# Altium PCB Power.PcbDoc
Units mil, origin at the board's own origin, x right, y up, seen from the top; angles counter-clockwise.
Board outline 1220.47 x 1376.55 mil, 2 copper layers (Top Layer, Bottom Layer); 54 components, 38 nets, 226 pads, 78 vias.
Unrouted connection lines stored in the file: 54.
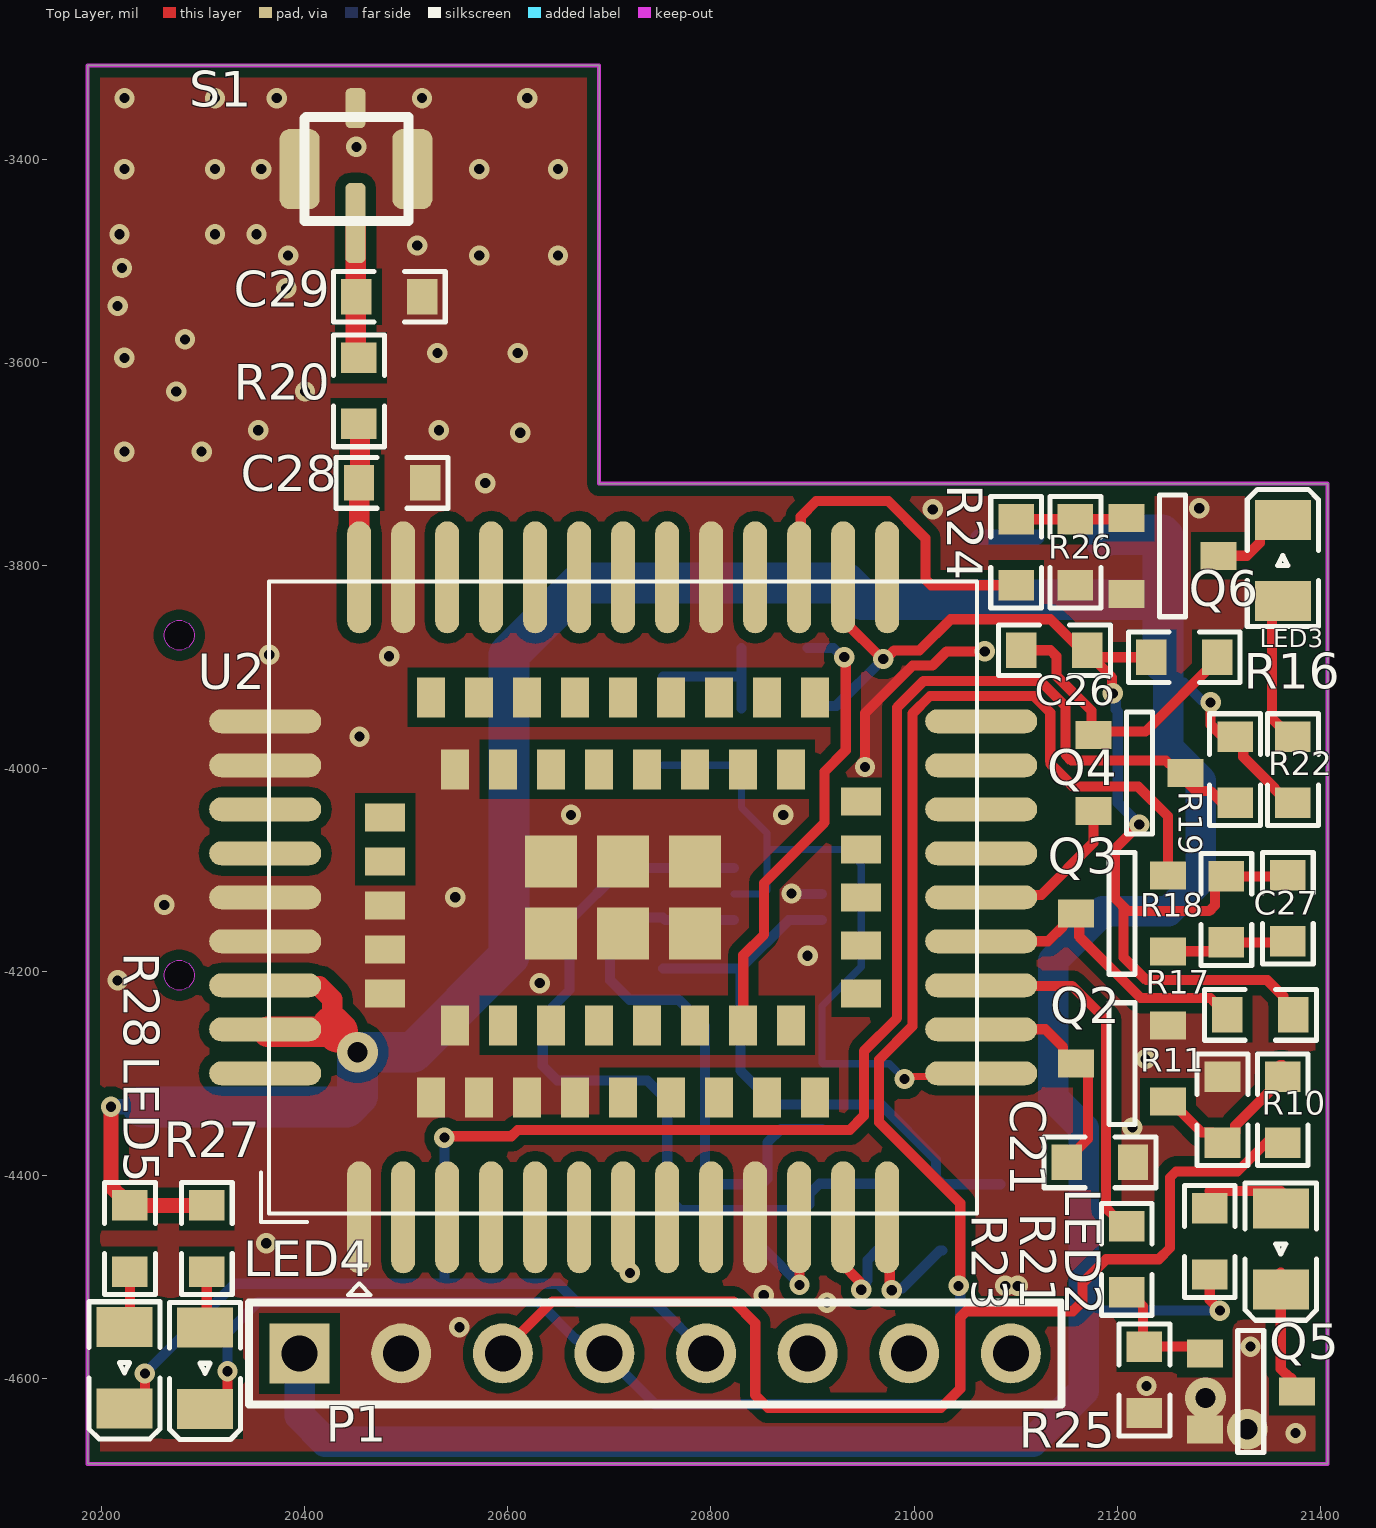
[diagram p0: Top Layer view]
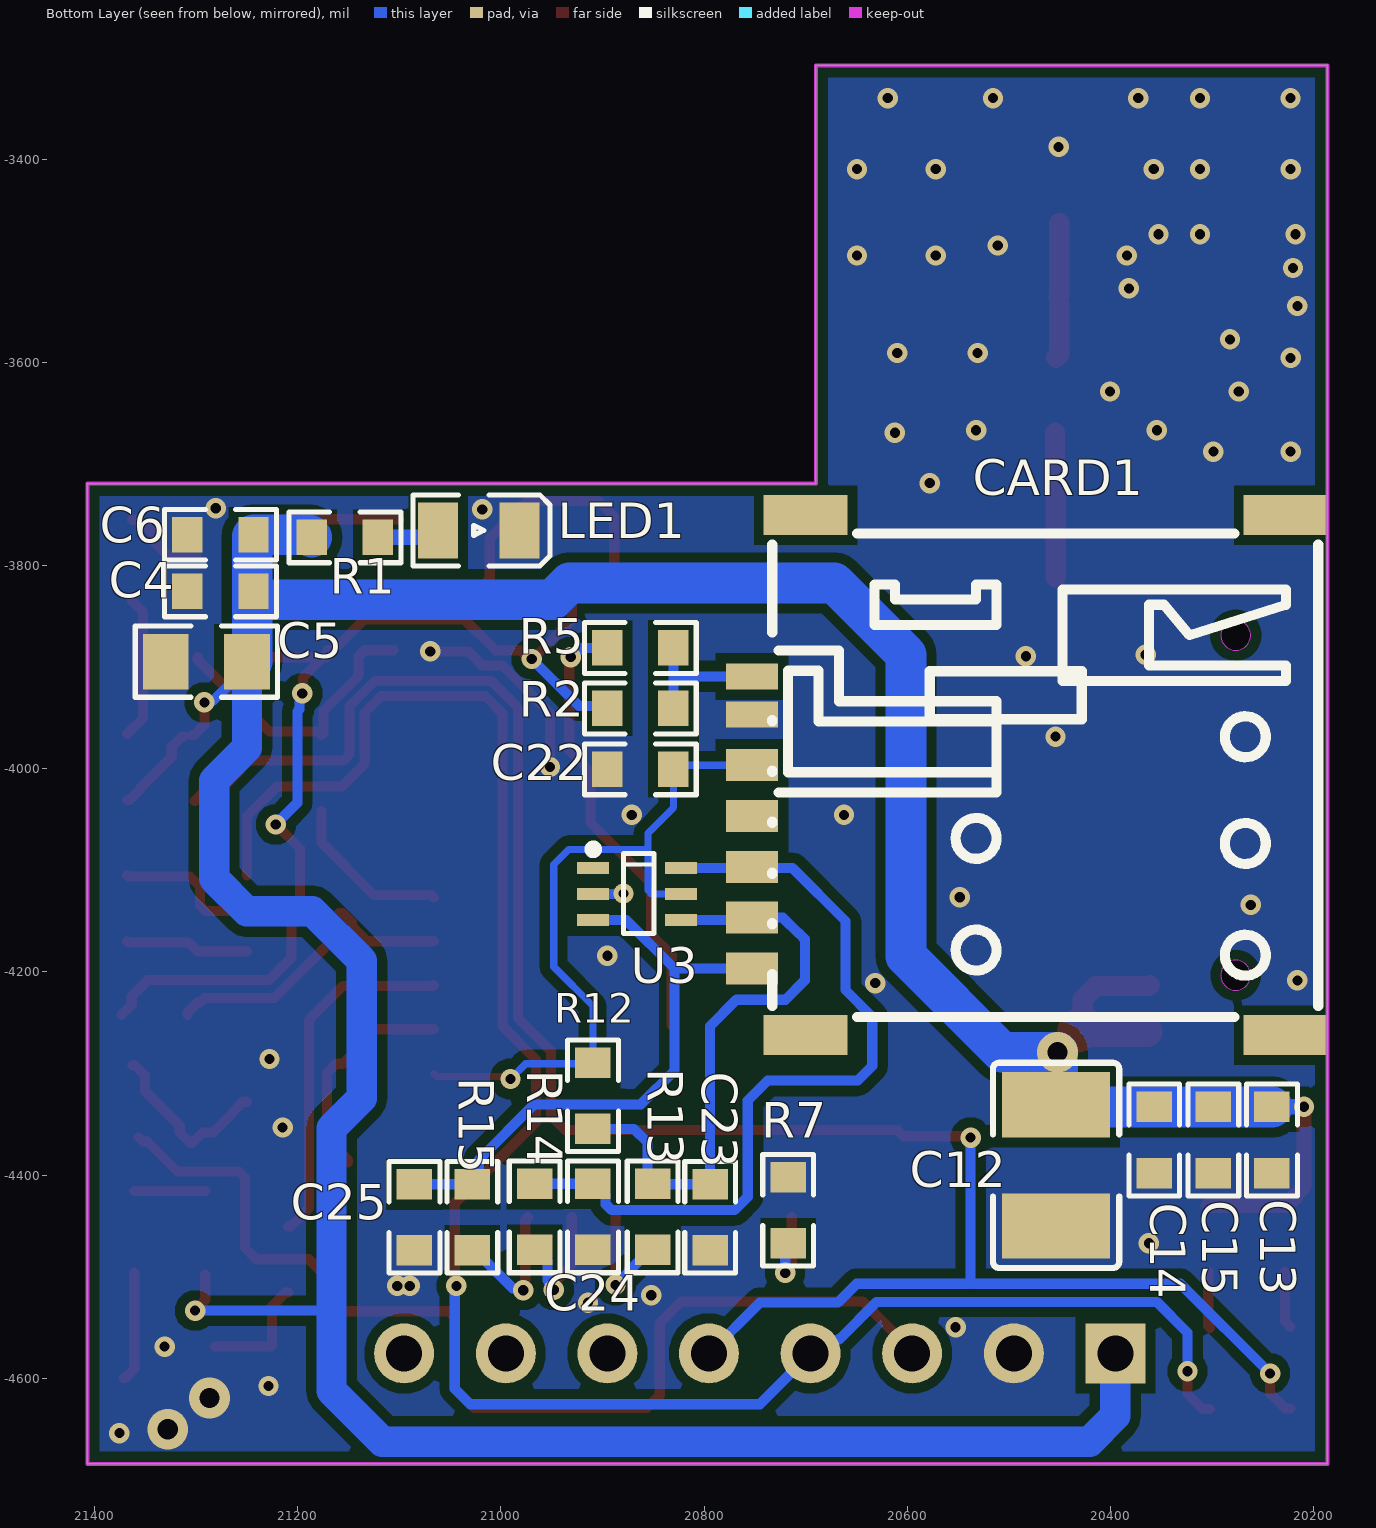
[diagram p1: Bottom Layer view, seen from below]

## Layer stack, top to bottom
Top Solder: solder mask 0.4, Solder Resist, Dk 3.5
Top Layer: signal copper 1.4
Dielectric 1: dielectric 12.6, FR-4, Dk 4.8
Bottom Layer: signal copper 1.4
Bottom Solder: solder mask 0.4, Solder Resist, Dk 3.5

## Board outline
20186.71,-4684.26 20186.71,-3307.72 20690.15,-3307.72 20690.15,-3719.47 21407.18,-3719.47 21407.18,-4684.26

## Design rules (kind name [scope] priority, off if disabled: settings)
Clearance "via to pad" [Isvia vs IsPad] p1: gap=10 ignorepadtopadclearanceinfootprint=FALSE
Clearance poly [InPoly] p2: gap=10 ignorepadtopadclearanceinfootprint=FALSE
Clearance "track to track" [Istrack vs IsTrack] p3: gap=5 ignorepadtopadclearanceinfootprint=FALSE
Clearance "via to poly" [IsVia vs InPoly] p4: gap=10 ignorepadtopadclearanceinfootprint=FALSE
Clearance "via to track" [Isvia vs Istrack] p5: gap=10 ignorepadtopadclearanceinfootprint=FALSE
Clearance "via to via" [IsVia vs Isvia] p6: gap=10 ignorepadtopadclearanceinfootprint=FALSE
ComponentClearance [All] p1: gap=0 collisioncheckmode=3 verticalgap=10 showdistances=FALSE
DiffPairsRouting [All] p1: maxlimit=10 minlimit=7 mostfreqgap=7 toplayer_minwidth=5 toplayer_maxwidth=100 toplayer_prefwidth=7 bottomlayer_minwidth=5 bottomlayer_maxwidth=100 bottomlayer_prefwidth=7 maxuncoupledlength=500
HoleToHoleClearance [All] p1: gap=7 allowstackedmicrovias=TRUE
MinimumSolderMaskSliver [All] p1: minsoldermaskwidth=0
PolygonConnect AGND_1_Via [IsVia] p1: connectstyle=Direct reliefconductorwidth=10 reliefentries=4 polygonreliefangle="90 Angle" airgapwidth=10
PolygonConnect [All] p2: connectstyle=Direct reliefconductorwidth=10 reliefentries=4 polygonreliefangle="90 Angle" airgapwidth=10
PolygonConnect AC24V_Lout [All] p3: connectstyle=Relief reliefconductorwidth=10 reliefentries=4 polygonreliefangle="90 Angle" airgapwidth=10
PolygonConnect AGND_2 [InNet('AGND_2')] p4: connectstyle=Relief reliefconductorwidth=10 reliefentries=4 polygonreliefangle="90 Angle" airgapwidth=10
PolygonConnect AGND_1 [InNet('AGND_1') vs Isvia] p5: connectstyle=Direct reliefconductorwidth=10 reliefentries=4 polygonreliefangle="90 Angle" airgapwidth=10
RoutingVias RoutingVias_1 [InNet('AGND_1')] p1: holewidth=10 width=20 viastyle="Through Hole" minholewidth=10 minwidth=20 maxholewidth=100 maxwidth=100
RoutingVias [All] p2: holewidth=10 width=20 viastyle="Through Hole" minholewidth=10 minwidth=20 maxholewidth=100 maxwidth=100
SilkToSilkClearance [All] p1: silktosilkclearance=0
SilkToSolderMaskClearance [IsPad] p1: minsilkscreentomaskgap=0 clearancetoexposedcopper=TRUE
SolderMaskExpansion [All] p1: expansion=1 istentingtop=FALSE
Width [All] p1: maxlimit=300 minlimit=5 preferedwidth=7 minimp=50.000000 maximp=50.000000 favimp=50.000000
24 further rules are at their usual default settings.

## Components (designator, comment, footprint, x,y, rotation, side; value= is the part's Value field where it differs from the comment)
C4 "10uF/25V" 0603R 21308.6,-3825.51 r180 bottom
C5 "47uF/10V" 0805R 21250,-3894.75 r0 bottom
C6 "104/10V" 0603R 21308.6,-3769.83 r180 bottom
C12 "100uF/10V" C1210 20453.65,-4390.43 r270 bottom
C13 "10pF" 0603R 20241.18,-4333 r270 bottom
C14 "33pF" 0603R 20357.05,-4333 r270 bottom
C15 "100nF" 0603R 20298.87,-4333 r270 bottom
C21 "10nF" 0603R 21215.53,-4387.53 r180 top
C22 "104" 0603R 20895.29,-4000.66 r180 bottom
C23 "33PF" 0603R 20794.16,-4474.09 r90 bottom
C24 "33PF" 0603R 20909.48,-4408.63 r270 bottom
C25 "33PF" 0603R 21085.21,-4409.09 r270 bottom
C26 "1nF/10V/0603" 0603R 21105.74,-3883.48 r0 top
C27 "1nF/10V/0603" 0603R 21367.96,-4169.87 r90 top
C28 "NC" 0603R 20518.72,-3718.66 r180 top
C29 "NC" 0603R 20516.15,-3535.57 r180 top
CARD1 "SMN-303" Nano-SIM 20490.32,-4006.47 r90 bottom locked
LED1 "LED" 0603LED 21061.8,-3765.51 r180 bottom
LED2 "LED" 0603LED 21360.96,-4432.87 r270 top
LED3 "LED" 0603LED 21362.96,-3835.06 r90 top
LED4 "LED" 0603LED 20302.2,-4550.25 r270 top
LED5 "LED" 0603LED 20222.8,-4549.67 r270 top
P1 "Header 8" HDR1X8 20395.29,-4575.6 r0 top locked
Q2 "S8050" SOT-23 21250,-4327.82 r90 top
Q3 "S8050" SOT-23 21250,-4179.78 r90 top
Q4 "S8050" SOT-23 21176.57,-3966.95 r270 top
Q5 "S8050" SOT-23 21286.19,-4575.6 r270 top
Q6 "S8050" SOT-23 21209.33,-3753.1 r270 top
R1 "1K/5%/0603" 0603R 21186.09,-3772.31 r180 bottom
R2 "10K" 0603R 20895.3,-3940.69 r180 bottom
R5 "0R" 0603R 20895.29,-3881.19 r180 bottom
R7 "4.7K" 0603R 20717.37,-4467.1 r90 bottom
R10 "4.7K" 0603R 21362.96,-4368.17 r90 top
R11 "47K" 0603R 21303.65,-4368.17 r90 top
R12 "10K" 0603R 20909.48,-4289.5 r270 bottom
R13 "0R" 0603R 20850.74,-4473.63 r90 bottom
R14 "0R" 0603R 20966.87,-4408.63 r270 bottom
R15 "0R" 0603R 21028.18,-4409.09 r270 bottom
R16 "4.7K/5%/0603" 0603R 21298.53,-3890.32 r180 top
R17 "10K/5%/0603" 0603R 21373.46,-4242.34 r180 top
R18 "4.7K/5%/0603" 0603R 21307.44,-4171.07 r90 top
R19 "10K/5%/0603" 0603R 21315.98,-4033.44 r90 top
R20 "0R/5%/0603" 0603R 20453.65,-3660.64 r90 top
R21 "1K" 0603R 21291.1,-4432.87 r270 top
R22 "1K" 0603R 21372.96,-3968.44 r270 top
R23 "472/5%/0603" 0603R 21209.33,-4450.45 r270 top
R24 "472/5%/0603" 0603R 21100.5,-3819.44 r90 top
R25 "47K/5%/0603" 0603R 21226.77,-4569.2 r270 top
R26 "47K/5%/0603" 0603R 21158.88,-3754.44 r270 top
R27 "1K/5%/0603" 0603R 20303.94,-4429.95 r270 top
R28 "1K/5%/0603" 0603R 20228.25,-4429.95 r270 top
S1 "SMA" RF1-00283天线座 20502.29,-3460.93 r180 top
U2 "ML307A" ML307A 20713.8,-4126.64 r90 top locked
U3 "SMF05C" SC70-6L 20909.48,-4097.94 r270 bottom

## Footprints (in the part's own frame and the unit in brackets; to place one, negate y for a bottom-side part, rotate by r counter-clockwise, add the part's x,y. Pads: shape width x height; smd on the part's side, far side on the other; paste and mask are expansions set on the pad)
0603LED [mm]
  rect 1x1.4 smd: 1(0,0) 2(2.032,0)
  silkscreen extent -0.64,-0.89 2.79,0.89
0603R [mil]
  rect 30x35 smd: 1(0,0) 2(65,0)
  silkscreen extent -23,-25 88,25
0805R [mil]
  rect 45x55 smd: 1(0,0) 2(80,0)
  silkscreen extent -30,-35 110,35
C1210 [mm]
  rect 1.635x2.7 smd paste-100 mask+0.051: 1(-1.517,0) 2(1.517,0)
  silkscreen extent -2.56,-1.58 2.56,1.58
HDR1X8 [mm] "Connector; Header; 8 Position"
  rect 1.5x1.5 hole 0.9: 1(0,0)
  round 1.5 hole 0.9: 2(2.54,0) 3(5.08,0) 4(7.62,0) 5(10.16,0) 6(12.7,0) 7(15.24,0) 8(17.78,0)
  silkscreen extent -1.27,-1.27 19.05,1.27
ML307A [mm]
  oval 2.8x0.6 smd: 1(-8,6.6) 2(-8,5.5) 3(-8,4.4) 4(-8,3.3) 5(-8,2.2) 6(-8,1.1) 7(-8,0) 8(-8,-1.1) 9(-8,-2.2) 10(-8,-3.3) 11(-8,-4.4) 12(-8,-5.5) 13(-8,-6.6) 23(8,-6.6) 24(8,-5.5) 25(8,-4.4) 26(8,-3.3) 27(8,-2.2) 28(8,-1.1) 29(8,0) 30(8,1.1) 31(8,2.2) 32(8,3.3) 33(8,4.4) 34(8,5.5) 35(8,6.6)
  oval 0.6x2.8 smd: 14(-4.4,-8.95) 15(-3.3,-8.95) 16(-2.2,-8.95) 17(-1.1,-8.95) 18(0,-8.95) 19(1.1,-8.95) 20(2.2,-8.95) 21(3.3,-8.95) 22(4.4,-8.95) 36(4.4,8.95) 37(3.3,8.95) 38(2.2,8.95) 39(1.1,8.95) 40(0,8.95) 41(-1.1,8.95) 42(-2.2,8.95) 43(-3.3,8.95) 44(-4.4,8.95)
  rect 1x0.7 smd: 45(-5,4.8) 46(-5,3.6) 47(-5,2.4) 48(-5,1.2) 49(-5,0) 50(-5,-1.2) 51(-5,-2.4) 52(-5,-3.6) 53(-5,-4.8) 59(5,-4.8) 60(5,-3.6) 61(5,-2.4) 62(5,-1.2) 63(5,0) 64(5,1.2) 65(5,2.4) 66(5,3.6) 67(5,4.8) 73(-3.2,4.2) 74(-3.2,3) 75(-3.2,1.8) 76(-3.2,0.6) 77(-3.2,-0.6) 78(-3.2,-1.8) 79(-3.2,-3) 80(-3.2,-4.2) 81(3.2,-4.2) 82(3.2,-3) 83(3.2,-1.8) 84(3.2,-0.6) 85(3.2,0.6) 86(3.2,1.8) 87(3.2,3) 88(3.2,4.2)
  rect 0.7x1 smd: 54(-2.4,-5.95) 55(-1.2,-5.95) 56(0,-5.95) 57(1.2,-5.95) 58(2.4,-5.95) 68(2,5.95) 69(0.9,5.95) 70(-0.2,5.95) 71(-1.3,5.95) 72(-2.4,5.95)
  rect 1.3x1.3 smd: 89(-0.9,1.8) 90(-0.9,0) 91(-0.9,-1.8) 92(0.9,-1.8) 93(0.9,0) 94(0.9,1.8)
  silkscreen extent -9.94,-8.85 7.9,9.05
Nano-SIM [mm]
  rect 1x2.1 smd: 8(-6.5,5.328) 9(6.5,5.328) 10(6.5,-6.672) 11(-6.5,-6.672)
  rect 0.8x1.3 smd: C1(0.25,6.672) C2(-2.29,6.672) C3(-4.83,6.672) C6(-1.02,6.672) C7(-3.56,6.672)
  rect 0.65x1.3 smd: C5(1.52,6.672) CD(2.47,6.672)
  Keep-Out Layer board cut-out: -4.625,-5.422 -4.662,-5.259 -4.766,-5.129 -4.916,-5.057 -5.083,-5.057 -5.234,-5.129 -5.338,-5.259 -5.375,-5.422 -5.375,-5.422 -5.338,-5.585 -5.234,-5.715 -5.083,-5.788 -4.916,-5.788 -4.766,-5.715 -4.662,-5.585 -4.625,-5.422
  Keep-Out Layer board cut-out: 3.875,-5.422 3.838,-5.259 3.734,-5.129 3.583,-5.057 3.417,-5.057 3.266,-5.129 3.162,-5.259 3.125,-5.422 3.125,-5.422 3.162,-5.585 3.266,-5.715 3.417,-5.788 3.583,-5.788 3.734,-5.715 3.838,-5.585 3.875,-5.422
  Multi-Layer pour cut-out: -4.625,-5.422 -4.662,-5.259 -4.766,-5.129 -4.916,-5.057 -5.083,-5.057 -5.234,-5.129 -5.338,-5.259 -5.375,-5.422 -5.375,-5.422 -5.338,-5.585 -5.234,-5.715 -5.083,-5.788 -4.916,-5.788 -4.766,-5.715 -4.662,-5.585 -4.625,-5.422
  Multi-Layer pour cut-out: 3.875,-5.422 3.838,-5.259 3.734,-5.129 3.583,-5.057 3.417,-5.057 3.266,-5.129 3.162,-5.259 3.125,-5.422 3.125,-5.422 3.162,-5.585 3.266,-5.715 3.417,-5.788 3.583,-5.788 3.734,-5.715 3.838,-5.585 3.875,-5.422
  silkscreen extent -6.04,-7.49 6.04,6.16
RF1-00283天线座 [mil]
  rrect50% 19.68x78.74 smd: 1(52,2)
  rrect50% 39.37x78.74 smd: 2(-4,-51) 2(107,-51)
  rrect50% 19.68x39.37 smd: 2(52,-111)
  silkscreen extent 0,-102 102,0
SC70-6L [mm]
  rect 0.3x0.8 smd: 1(0,0) 2(0.65,0) 3(1.3,0) 4(1.3,2.2) 5(0.65,2.2) 6(0,2.2)
  silkscreen extent -0.37,0.76 1.64,1.52
SOT-23 [mm]
  rect 0.7x0.9 smd: 1(0,0) 2(1.9,0) 3(0.95,2.3)
  silkscreen extent -0.57,0.82 2.47,1.47

## Part data
C4 C22 C23 C24 C25 C26 C27 C28 C29: library part CAP
C5 C12: library part "Cap Pol1", "Polarized Capacitor (Radial)", LatestRevisionDate=17-Jul-2002, LatestRevisionNote="Re-released for DXP Platform.", PackageDescription="Polarized Capacitor (Radial); 2 Leads", PackageReference=RB7.6-15, Published=8-Jun-2000, Publisher="Altium Limited"
C6 C13 C14 C15 C21: library part CAP_1
CARD1: JLCPCB Part Class="Extended Part", LCSC Part Name="自弹式 NanoSIM卡 卡座 6+1Pin 带CD 防呆", Manufacturer=XUNPU(讯普), Operating Temperature Range=-, Add into BOM=yes, Body Height (Max)=1.4mm, Card Connection Mode=自弹式, Card Type=NanoSIM卡, Connector Type=卡座, Contact Material=-, Contact Plating=-, Convert to PCB=yes, Datasheet=https://atta.szlcsc.com/upload/public/pdf/source/20211019/D7CABD700EC9AD7534EBB952F0541976.pdf, Device=SMN-303, Manufacturer Part=SMN-303, Name=SMN-303, Supplier=LCSC, Supplier Footprint=SMD, Supplier Part=C266888, Symbol=SMN-303
P1: "Header, 8-Pin", LatestRevisionDate=17-Jul-2002, LatestRevisionNote="Re-released for DXP Platform.", Publisher="Altium Limited"
Q2 Q3 Q4 Q5 Q6: library part NPN
R1 R7 R10 R11 R16 R18 R20 R21 R22 R23 R24 R25 R26 R27 R28: library part RES
R2 R5 R12 R13 R14 R15 R17 R19: library part Res2, "Resistor", LatestRevisionDate=17-Jul-2002, LatestRevisionNote="Re-released for DXP Platform.", PackageDescription="Axial Device, Thru-Hole; 2 Leads; 0.4 in Pin Spacing", PackageReference=AXIAL-0.4, Published=8-Jun-2000, Publisher="Altium Limited"
U2: PCB DECAL=MOD_ML307

## Via types
v1: diameter 20, hole 10, Top Layer to Bottom Layer, 75 vias
v2: diameter 40, hole 20, Top Layer to Bottom Layer, 3 vias

## Nets (pads, with @x,y where several pads share a name; then routed paths per layer and width w, separated by ;. In a path a pad name is that pad's centre, name@x,y a point inside that pad or via, vN(x,y) a via of type N, cw(c..) or ccw(c..) an arc to the next point about the centre after c; other vN are vias at no path point)
4G_MCU_RXD: LED5.2 P1.5 Q4.3 R19.1 | length 2052
  Top Layer w10: LED5.2 20228.32,-4629.67 20243,-4614.98 v1(20243,-4595.25) ; v1(20537.78,-4363.18) 20539.11,-4361.84 20603.72,-4361.84 20609.97,-4355.58 20936.83,-4355.58 20950.67,-4341.75 20950.67,-4278.13 20983.39,-4245.4 20983.39,-3939.71 21009.54,-3913.57 21124,-3913.57 21149.03,-3938.59 21149.03,-3986.2 21154.88,-3992.06 21248.09,-3992.06 21251.6,-3995.57 21254.4,-3995.57 21257.57,-3998.73 21257.57,-4002.32 21277.1,-4021.85 21291.43,-4021.85 R19.1@21301.43,-4031.85
  Bottom Layer w10: v1(20243,-4595.25) 20331.3,-4506.96 20535.88,-4506.96 20537.78,-4505.06 ; v1(20537.78,-4363.18) 20537.78,-4505.06 ; P1.5 20745.29,-4525.6 20668.52,-4525.6 20649.88,-4506.96 20539.67,-4506.96 20537.78,-4505.06
4G_MCU_TXD: LED4.2 P1.4 Q3.2 | length 1978.1
  Top Layer w10: LED4.2 20309.58,-4630.25 20324.27,-4615.57 v1(20324.27,-4593.15) ; v1(21043.92,-4509.09) 21045.49,-4507.52 21045.49,-4427.78 20965.67,-4347.96 20965.67,-4286.28 20998.39,-4253.55 20998.39,-3945.93 21015.75,-3928.57 21117.79,-3928.57 21134.03,-3944.81 21134.03,-3992.42 21134.47,-3992.85 21134.47,-3995.57 21156.61,-4017.72 21220.83,-4017.72 21250,-4046.89 Q3.2
  Bottom Layer w10: v1(20324.27,-4593.15) 20324.27,-4555.07 20354.49,-4524.85 20630.19,-4524.85 20666.63,-4561.29 20667.71,-4561.29 20672.65,-4566.23 20685.93,-4566.23 20745.29,-4625.6 21030.2,-4625.6 21045.49,-4610.31 21045.49,-4510.66 v1(21043.92,-4509.09)
4G_Reset: P1.3 R10.1 | length 1071.8
  Top Layer w10: P1.3 20595.29,-4573.23 20644.18,-4524.35 20822.26,-4524.35 20843.72,-4545.81 20843.72,-4616.62 20856.27,-4629.17 21026.62,-4629.17 21045.49,-4610.31 21045.49,-4539.9 21051.35,-4534.04 21156.36,-4534.04 21165.73,-4524.67 21165.73,-4506.36 21189.23,-4482.86 21240.85,-4482.86 21251.98,-4471.73 21251.98,-4402.34 21257.84,-4396.48 21318.44,-4396.48 21347.93,-4366.99 21352.72,-4366.99 R10.1@21356.69,-4363.02
GND: C4.1 C5.2 C6.1 C12.2 C13.2 C14.2 C15.2 C21.1 C22.1 C23.1 C24.2 C25.2 C28.1 C29.1 CARD1.C5 LED1.2 P1.2 Q2.2 Q5.2 Q6.2 R7.2 R11.2 R25.2 R26.2 S1.2 U2.1 U2.10 U2.27 U2.34 U2.36 U2.37 U2.40 U2.41 U2.45 U2.46 U2.47 U2.48 U2.70 U2.71 U2.72 U2.73 U2.88 U2.89 U2.90 U2.91 U2.92 U2.93 U2.94 U3.2 | length 226.2
  Top Layer w10: v1(20951.8,-3998.37) 20951.8,-3945.35 20998.59,-3898.57 21018.04,-3898.57 21032.09,-3884.52 v1(21069.58,-3884.52)
  Bottom Layer w10: v1(20879.48,-4122.94) 20879.77,-4123.23 20909.18,-4123.23 U3.2
  other v1: 21375.61,-4654 21228.77,-4607.61 21331.1,-4568.88 20552.53,-4549.85 20914.44,-4525.6 20852.13,-4518.3 21089.8,-4509.04 21102.07,-4509.04 20362.37,-4467.1 21214.95,-4353.23 21227.94,-4285.75 20631.68,-4211.08 20216.18,-4208.35 20895.29,-4184.08 20262.09,-4134.1 20548.44,-4126.64 20662.41,-4045.47 20871.34,-4045.47 20454.15,-3968.44 20483.4,-3889.34 20365.37,-3887.82 21018.44,-3744.8 21280.76,-3743.65 20578.03,-3718.97 20222.8,-3687.95 20298.87,-3687.95 20612.37,-3669.44 20354.49,-3666.93 20532.37,-3666.93 20273.87,-3628.81 20400.5,-3628.81 20222.8,-3595.64 20530.9,-3590.95 20609.97,-3590.95 20282.5,-3577.44 20216.18,-3544.66 20382.05,-3527.24 20220.41,-3507.29 20384,-3495 20572.06,-3495 20649.64,-3495 20511,-3485 20218,-3474 20312,-3474 20352.83,-3474 20222.8,-3409.93 20312,-3409.93 20357.5,-3409.93 20572.06,-3409.93 20649.64,-3409.93 20451.15,-3388 20222.89,-3340 20312,-3340 20372.81,-3340 20515.8,-3340 20619.31,-3340
  other v2: 21327.96,-4650.25 21286.87,-4619.38
Lora_MCU_RXD: P1.8
Lora_MCU_TXD: P1.7
Lora_Reset: P1.6
MAIN_RXD: Q3.3 R17.2 U2.17 | length 310.4
  Top Layer w10: U2.17 21131.88,-4169.95 21146.73,-4155.09 21146.73,-4151.15 21155.51,-4142.37 Q3.3 21162.69,-4145.62 21162.69,-4165.3 21223.17,-4225.77 21291.89,-4225.77 21295.96,-4229.84 21298.46,-4229.84 21308.46,-4239.84 R17.2
MAIN_TXD: Q4.2 U2.18 | length 163.9
  Top Layer w10: U2.18 21068.37,-4124.43 21125.17,-4124.43 21176.57,-4073.02 Q4.2
NET_LIGHT: R23.1 U2.16 | length 350
  Top Layer w10: U2.16 21066.66,-4213.75 21155.52,-4213.75 21189.1,-4247.34 21189.1,-4432.52 21196.83,-4440.24 21196.83,-4440.45 21206.83,-4450.45 R23.1
NET_STATE: R24.1 U2.25 | length 336.8
  Top Layer w10: U2.25 20888.49,-3810.21 20888.49,-3751.93 20903.84,-3736.58 20974.63,-3736.58 21011.14,-3773.1 21011.14,-3813.58 21017,-3819.44 R24.1
NetC23_2: C23.2 CARD1.C7 R12.2 R13.2 U3.4 | length 598.7
  Bottom Layer w10: U3.4 20755.49,-4149.12 CARD1.C7 20722.6,-4146.62 20707.15,-4162.07 20706.75,-4162.07 20700.89,-4167.93 20700.89,-4208.35 20720.05,-4227.5 20768.33,-4227.5 20794.16,-4253.33 C23.2 20850.28,-4409.09 R13.2 20855.68,-4403.69 20855.68,-4368.03 20869.2,-4354.5 R12.2
NetC24_1: C24.1 CARD1.C2 R14.1 U3.6 | length 800.5
  Bottom Layer w10: U3.6 20753,-4097.94 20712.96,-4097.94 20660.94,-4149.95 20660.94,-4217.93 20634.52,-4244.35 20634.52,-4292.7 20648.82,-4307 20737.42,-4307 20757.1,-4326.69 20757.1,-4421.51 20770.15,-4434.56 20891.12,-4434.56 20896.98,-4428.7 20896.98,-4418.63 20906.98,-4408.63 R14.1
NetC25_1: C25.1 CARD1.C3 R15.1 U3.3 | length 589.4
  Bottom Layer w10: CARD1.C3 20829.27,-4196.62 ; U3.3 20876.77,-4149.12 20829.27,-4196.62 ; C25.1 R15.1 21021.71,-4402.63 21021.71,-4384.95 20967.19,-4330.42 20862.46,-4330.42 20829.27,-4297.23 20829.27,-4196.62
NetC26_1: C26.1 Q4.1 R16.1 | length 283.2
  Top Layer w10: C26.1 21134.26,-3883.48 21140.12,-3889.34 21140.12,-3908.47 21174.66,-3943.02 21174.66,-3965.04 Q4.1 ; Q4.1@21176.57,-3963.41 21227.94,-3963.41 21298.53,-3892.82 R16.1
NetC27_1: C27.1 Q3.1 R18.1 | length 122.1
  Top Layer w10: Q3.1 21298.73,-4179.78 R18.1 21366.77,-4171.07 C27.1
NetC28_2: C28.2 R20.1 U2.35 | length 137.2
  Top Layer w20: U2.35 20453.95,-3726.16 C28.2@20454.69,-3722.78 ; C28.2@20454.68,-3717.7 R20.1@20454.68,-3669.44
NetC29_2: C29.2 R20.2 S1.1 | length 127.5
  Top Layer w20: S1.1 20450.45,-3463.09 20450.45,-3534.87 C29.2 ; C29.2@20450.53,-3542.38 20450.53,-3592.53 R20.2
NetCARD1_CD: CARD1.CD R2.2 R5.2 | length 138.1
  Bottom Layer w10: CARD1.CD 20827.26,-3909.22 20830.29,-3906.19 ; R2.2 20830.29,-3906.19 ; R5.2 20830.29,-3906.19
NetLED1_1: LED1.1 R1.2 | length 58.2
  Bottom Layer w15: LED1.1@21062.88,-3772.31 R1.2
NetLED2_1: LED2.1 R21.1 | length 69.9
  Top Layer w10: 21291.1,-4415.76 LED2.1@21360.96,-4415.76
NetLED2_2: LED2.2 Q5.3 | length 109.3
  Top Layer w10: LED2.2@21360.96,-4495.76 21360.96,-4590.84 21369.74,-4599.62 Q5.3@21371.5,-4599.62
NetLED3_1: LED3.1 R22.1 | length 141.7
  Top Layer w10: LED3.1 21352.24,-3845.78 21352.24,-3950.22 21367.7,-3965.69 R22.1@21367.96,-3965.69
NetLED3_2: LED3.2 Q6.3 | length 82.4
  Top Layer w10: Q6.3 21327.52,-3790.51 21340.4,-3777.62 21340.4,-3769.75 21355.09,-3755.06 LED3.2
NetLED4_1: LED4.1 R27.2 | length 56
  Top Layer w10: LED4.1 20303.94,-4548.52 R27.2
NetLED5_1: LED5.1 R28.2 | length 57
  Top Layer w10: LED5.1 20228.25,-4544.22 R28.2
NetQ2_1: Q2.1 R10.2 R11.1 | length 174.6
  Top Layer w10: Q2.1 21253.94,-4327.82 21262.72,-4336.6 21262.72,-4337.72 21283.16,-4358.17 21293.65,-4358.17 R11.1 21306.15,-4368.17 21316.15,-4358.17 21316.15,-4351.47 21350.22,-4317.4 21350.22,-4301.99 21360.22,-4291.99 R10.2@21362.72,-4291.99
NetQ5_1: Q5.1 R23.2 R25.1 | length 116.6
  Top Layer w10: R23.2 21211.83,-4515.45 21225.3,-4528.92 21225.3,-4567.72 R25.1 ; R25.1@21227.1,-4568.88 Q5.1@21281.29,-4568.88
NetQ6_1: Q6.1 R24.2 R26.1 | length 109.2
  Top Layer w10: R24.2 R26.1 21206.1,-3754.44 ccw(c21206.1,-3749.88) Q6.1
PWR_ON/OFF: R7.1 U2.7 | length 88.2
  Top Layer w10: U2.7 20713.8,-4488.04 20714.49,-4488.04 20720.29,-4493.84 v1(20720.29,-4496.28)
  Bottom Layer w10: R7.1 20720.29,-4470.03 v1(20720.29,-4496.28)
RESET_N: C21.2 Q2.3 U2.15 | length 224.1
  Top Layer w10: U2.15 21129.12,-4256.56 21146.73,-4274.17 21146.73,-4281.64 21155.51,-4290.42 21162.52,-4290.42 21171.3,-4299.2 21171.3,-4364.25 21150.53,-4385.03 C21.2
USIM_CLK: R15.2 U2.13 | length 139.9
  Top Layer w10: U2.13 20976.17,-4444.14 20976.17,-4511.39 v1(20978.09,-4513.31)
  Bottom Layer w10: v1(20978.09,-4513.31) 20980,-4511.39 20988.38,-4511.39 21025.68,-4474.09 R15.2
USIM_DATA: R13.1 U2.11 | length 117.7
  Top Layer w10: U2.11 20887.18,-4441.75 20887.18,-4507.93 v1(20887.33,-4508.08)
  Bottom Layer w10: R13.1 20853.24,-4473.63 20887.33,-4507.71 v1(20887.33,-4508.08)
USIM_DET: R5.1 U2.79 | length 444.6
  Top Layer w10: U2.79 20831.91,-4183.73 20852.48,-4163.16 20852.48,-4112.48 20911.85,-4053.11 20911.85,-4002.98 20932.81,-3982.01 20932.81,-3891.71 v1(20931.29,-3890.19)
  Bottom Layer w10: R5.1 20920.81,-3881.19 20929.81,-3890.19 v1(20931.29,-3890.19)
USIM_RST: R14.2 U2.12 | length 127.1
  Top Layer w10: U2.12 20930.33,-4488.59 20946.18,-4504.44 20946.18,-4510.94 v1(20948.09,-4512.85)
  Bottom Layer w10: v1(20948.09,-4512.85) 20948.09,-4510.14 20954.37,-4503.87 20954.37,-4483.63 20964.37,-4473.63 R14.2
USIM_VDD: C22.2 CARD1.C1 R12.1 U2.14 U3.5 | length 716.9
  Top Layer w7: v1(20990.67,-4305.42) 20993.16,-4302.93 21063.09,-4302.93 U2.14
  Bottom Layer w7: CARD1.C1 20826.26,-3996.62 C22.2 20830.29,-4038.42 20855.41,-4063.53 20855.41,-4120.04 ; U3.5 20851.93,-4123.53 20854.92,-4120.54 ; 20856.11,-4079.4 20933.16,-4079.4 20948.05,-4094.29 20948.05,-4194.95 20909.48,-4233.52 R12.1 20910.39,-4290.42 20975.67,-4290.42 v1(20990.67,-4305.42)
VCC3.8: C4.2 C5.1 C6.2 C12.1 C13.1 C14.1 C15.1 P1.1 R1.1 R19.2 R21.2 R22.2 R27.1 R28.1 U2.42 U2.43 | length 4054
  Top Layer w10: R21.2 21291.1,-4522.97 21301.05,-4532.92 v1(21301.05,-4533.44) ; v1(21291.92,-3934.79) 21291.92,-3956.85 21301.92,-3966.85 R19.2@21303.93,-3966.85 ; R19.2@21311.55,-3968.44 21314.05,-3968.44 21324.05,-3978.44 21324.05,-3988.26 21355.46,-4019.67 21355.46,-4020.69 21365.46,-4030.69 R22.2@21367.96,-4030.69
  Top Layer w15: v1(20209.62,-4332.77) 20209.62,-4411.32 20218.25,-4419.95 20218.25,-4422.45 20225.75,-4429.95 R27.1
  Top Layer w20: U2.42 20362.13,-4213.95 20414.52,-4213.95 20427.35,-4226.78 20427.35,-4253.72
  Top Layer w30: U2.43@20364,-4259.13 20432.76,-4259.13
  Top Layer w40: 20427.35,-4253.72 20432.76,-4259.13
  Bottom Layer w10: 21166.83,-4529.35 21170.92,-4533.44 v1(21301.05,-4533.44) ; C5.1@21250,-3915.32 21265.56,-3915.32 21283.12,-3932.88 21290,-3932.88 v1(21291.92,-3934.79)
  Bottom Layer w15: v1(20209.62,-4332.77) 20209.74,-4332.88 20241.06,-4332.88 C13.1
  Bottom Layer w30: P1.1 20395.29,-4636.96 20420.63,-4662.29 21116.87,-4662.29 21166.83,-4612.34 21166.83,-4529.35 21166.83,-4353.95 21137.07,-4324.2 21137.07,-4188.85 21185.67,-4140.26 21250.38,-4140.26 21282.44,-4108.19 21282.44,-4011.78 21250,-3979.34 21250,-3915.32 C5.1
  Bottom Layer w40: C13.1 C15.1 C14.1 20441.26,-4333 20452.3,-4321.96 v2(20452.3,-4279.12) 20506.74,-4279.12 20601.32,-4184.54 20601.32,-3887.82 20671.84,-3817.3 20932.59,-3817.3 20948.9,-3833.6 21243.97,-3833.6 C4.2@21245,-3832.57 ; R1.1 21188.57,-3769.83 C6.2 21245,-3771.24 C4.2@21245,-3832.57 ; C5.1@21245,-3894.75 C4.2@21245,-3832.57
VDD_EXT: C26.2 C27.2 R2.1 R16.2 R17.1 R18.2 U2.24 | length 1201.2
  Top Layer w10: U2.24 20930.33,-3853.88 v1@20968.57,-3892.12 ; v1(20969.68,-3892.12) 20971.99,-3892.12 20980.54,-3883.57 21005.44,-3883.57 21036.12,-3852.88 21134.3,-3852.88 21159.23,-3877.82 21161.73,-3877.82 21171.73,-3887.82 21171.73,-3890.32 R16.2 ; C26.2 21170.74,-3885.98 21194.88,-3910.12 21194.88,-3925.21 v1(21195.57,-3925.9) ; 21207.11,-4137.07 21206.1,-4138.08 21206.1,-4185.58 21228.68,-4208.16 21347.62,-4208.16 21363.46,-4224 21363.46,-4232.34 R17.1 ; v1(21221.62,-4054.92) 21197.9,-4078.65 21197.9,-4127.87 21210.29,-4140.26 21290.46,-4140.26 21296.32,-4134.4 21296.32,-4116.07 21306.32,-4106.07 21366.77,-4106.07 C27.2
  Bottom Layer w10: R2.1 20897.8,-3938.19 20923.61,-3938.19 v1(20969.68,-3892.12) ; v1@21196.57,-3932.74 21198.49,-3934.66 21198.49,-3941.63 21200.45,-3943.6 21200.45,-4033.67 21221.62,-4054.84 v1(21221.62,-4054.92)
pads on no net: CARD1.8 CARD1.9 CARD1.10 CARD1.11 CARD1.C6 U2.2 U2.3 U2.4 U2.5 U2.6 U2.8 U2.9 U2.19 U2.20 U2.21 U2.22 U2.23 U2.26 U2.28 U2.29 U2.30 U2.31 U2.32 U2.33 U2.38 U2.39 U2.44 U2.49 U2.50 U2.51 U2.52 U2.53 U2.54 U2.55 U2.56 U2.57 U2.58 U2.59 U2.60 U2.61 U2.62 U2.63 U2.64 U2.65 U2.66 U2.67 U2.68 U2.69 U2.74 U2.75 U2.76 U2.77 U2.78 U2.80 U2.81 U2.82 U2.83 U2.84 U2.85 U2.86 U2.87 U3.1

## Polygon pours and split planes (outlines as drawn)
GND on Top Layer "GND_L01_P000" (solid, remove dead copper, pour order 0): 19861,-3278 19866,-3273 21708,-3273 21708,-4831 21767,-4890 19910,-4890 19910,-3321 19860,-3271
GND on Bottom Layer "GND_L02_P001" (solid, remove dead copper, pour order 1): 20047,-3202 20051,-3206 21980,-3206 21980,-5521 21912,-5589 21773,-5450 19413,-5450 19413,-3753 19994,-3172 20025,-3203 20051,-3203

## Keep-outs
Keep-Out Layer:
  lines w3.94: 20186.71,-4277.83 20186.71,-3769.97 ; 20186.71,-4684.26 20186.71,-3307.72 20690.15,-3307.72 20690.15,-3719.47 21407.18,-3719.47 21407.18,-4684.26 20186.71,-4684.26

## Silkscreen, mask and mechanical layers (free items; w line width, h text height)
Bottom Overlay:
  circle w10: c20909.25,-4079.4 r3.67
  lines w3.94: 20850.28,-4095.03 20850.84,-4094.47 20879.48,-4094.47